# KiCad board washington-metro-pcb.kicad_pcb
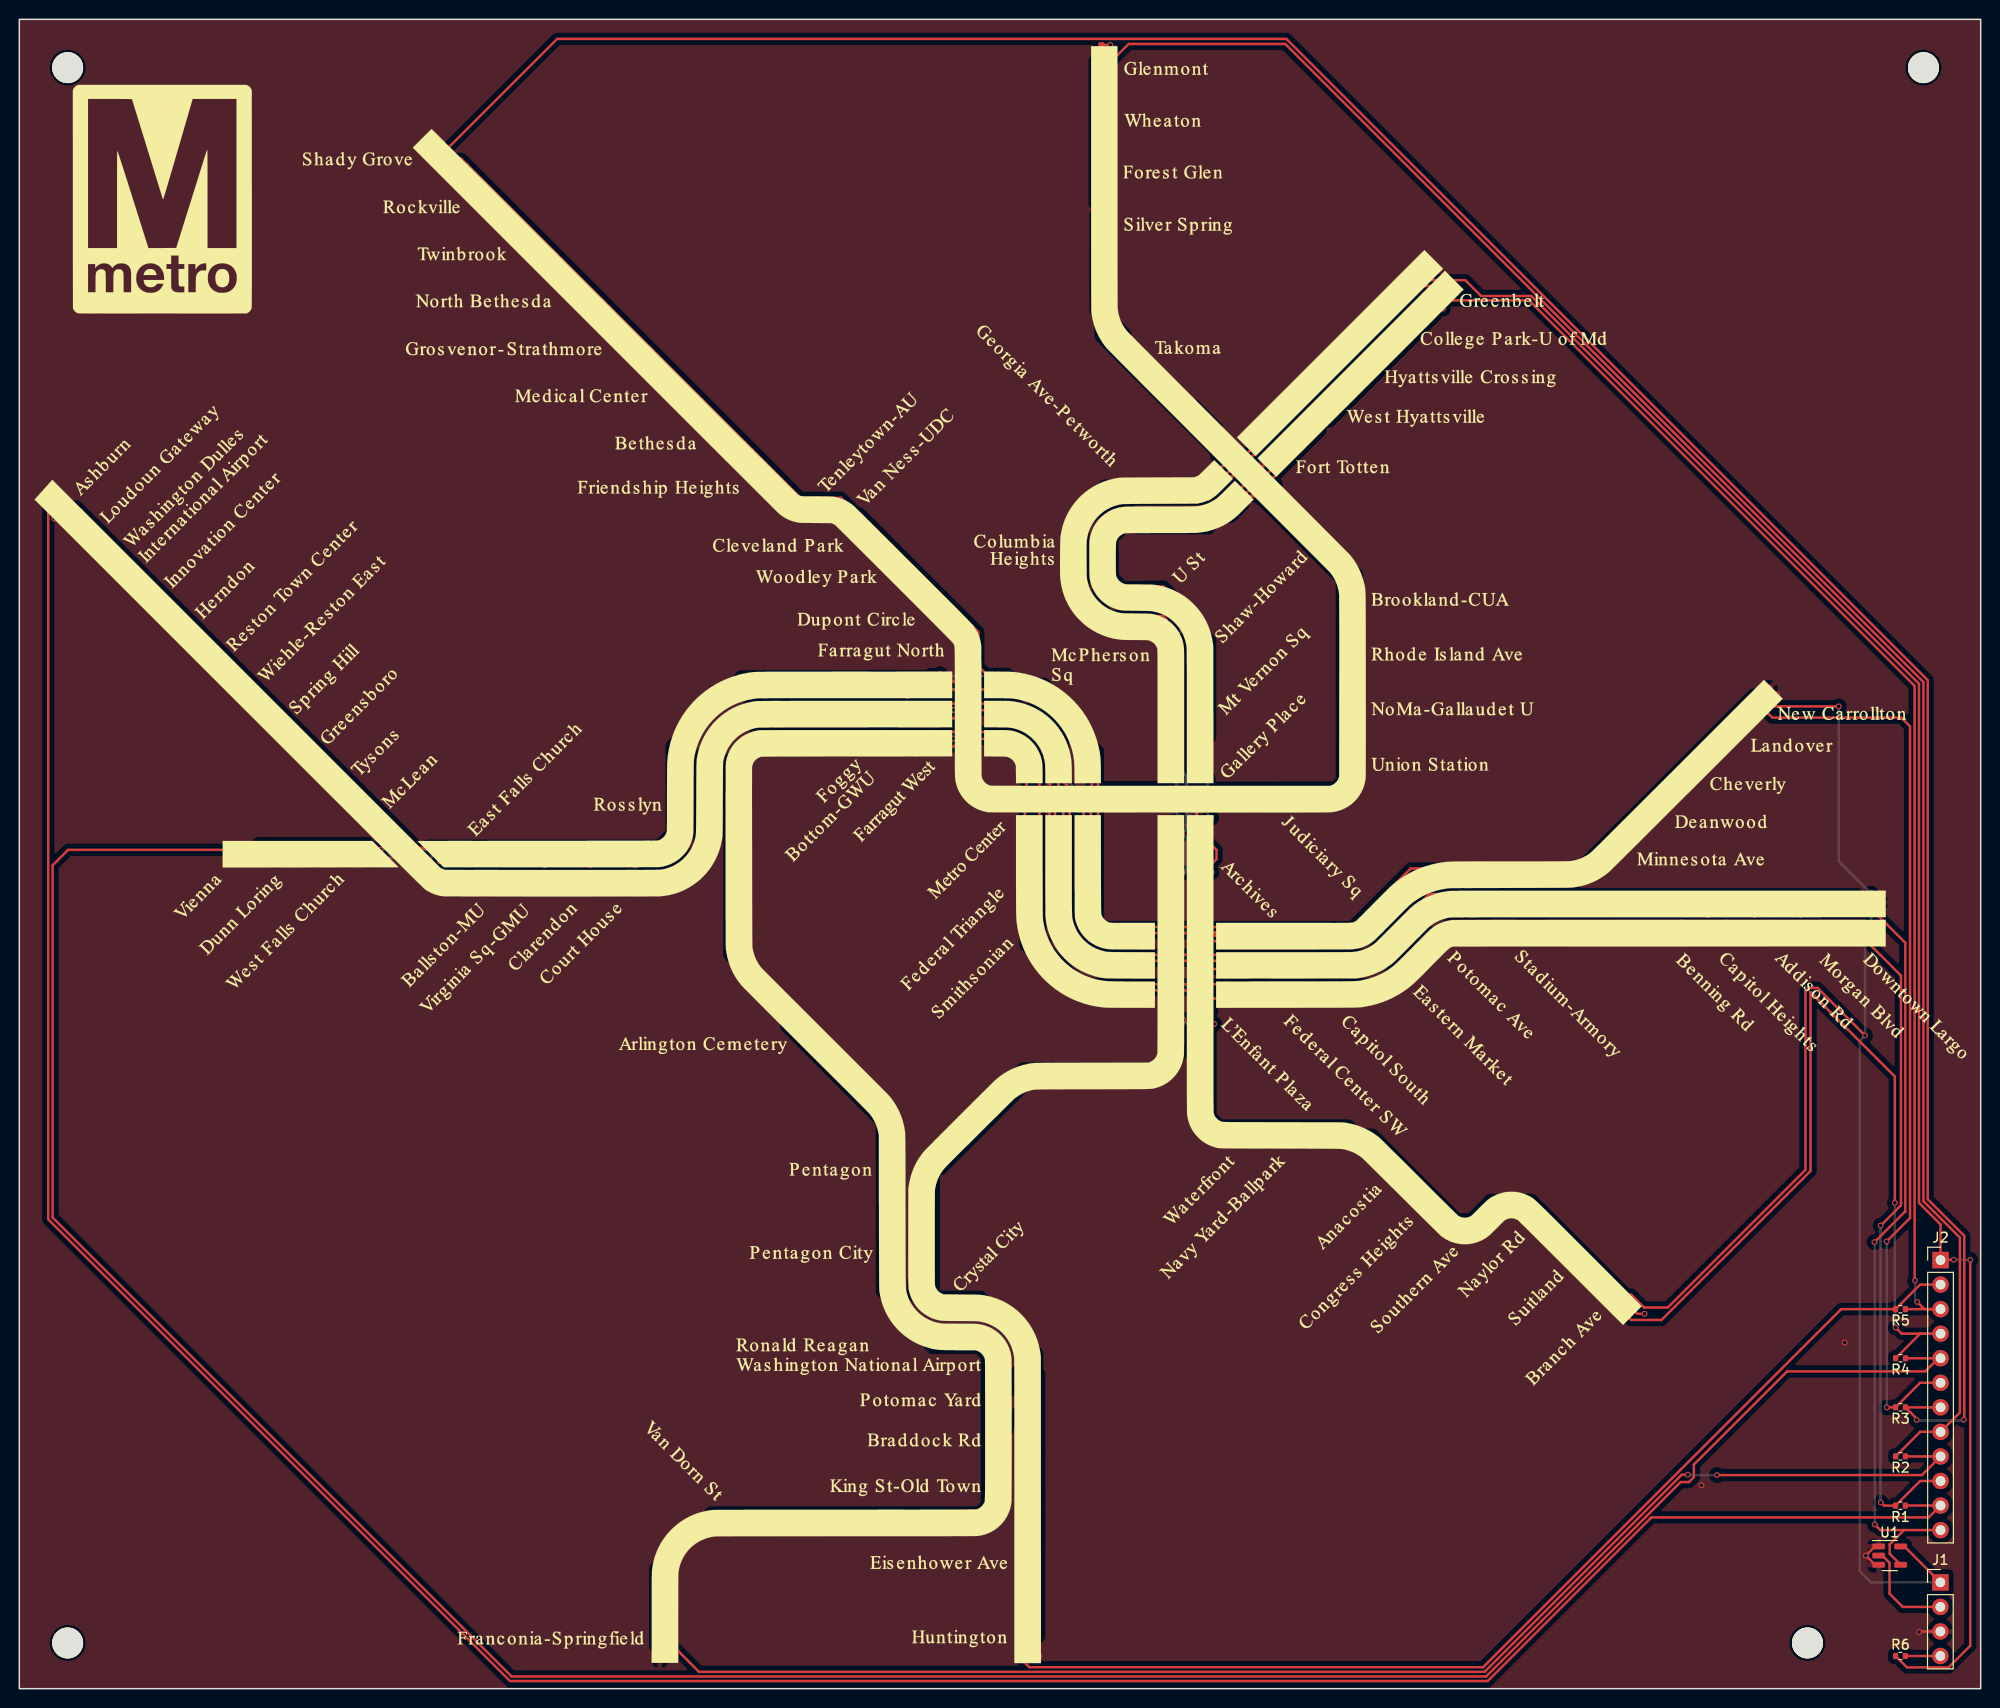
[diagram p0: board, top side]
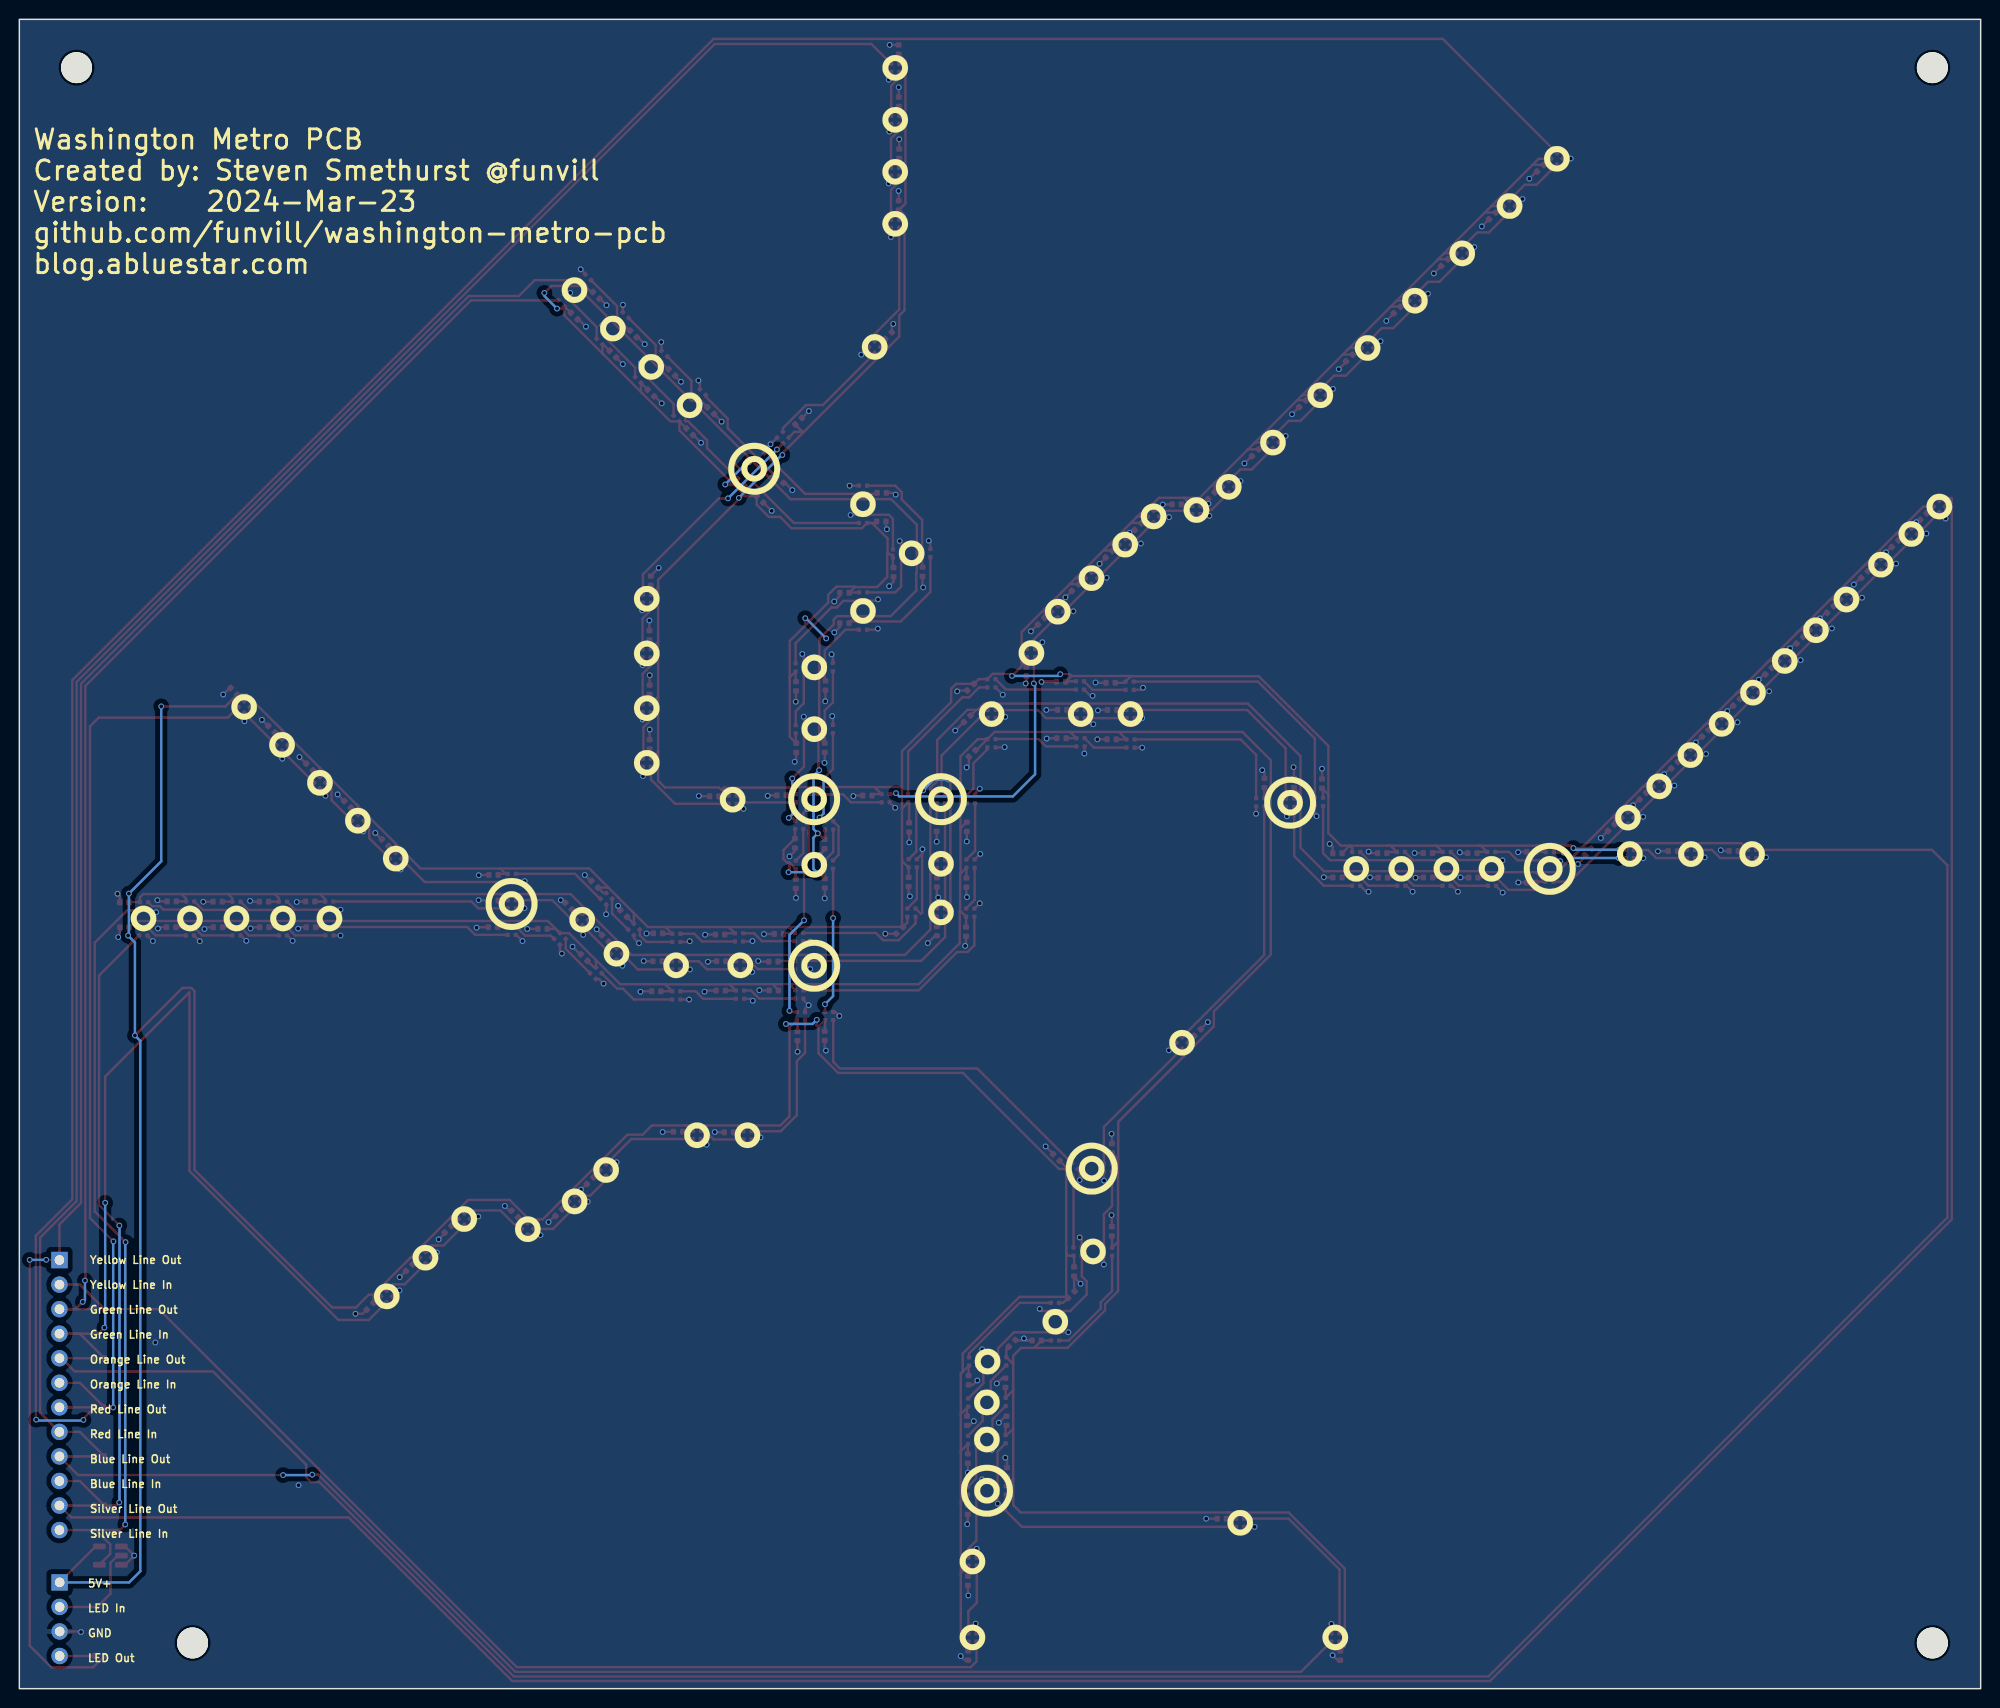
[diagram p1: board, bottom side, seen from below]

Outline 202.92 x 172.73 mm; copper layers: Top, Bottom. Coordinates in mm from the lower left corner of the outline.
Outline path: rectangle 0,172.73 202.92,0
Stack: Top 0.035mm / dielectric 1.51mm FR4 er 4.5 / Bottom 0.035mm

## Placement (name value [footprint] x y rotation side)
C1  1uF,25V,X5R  [C_0402_1005Metric]  192.06 81.36 0 top
C2  1uF,25V,X5R  [C_0402_1005Metric]  187.15 81.46 0 top
C3  1uF,25V,X5R  [C_0402_1005Metric]  182.4 81.43 0 top
C4  1uF,25V,X5R  [C_0402_1005Metric]  177.61 81.43 0 top
C5  1uF,25V,X5R  [C_0402_1005Metric]  172.82 81.45 0 top
C6  1uF,25V,X5R  [C_0402_1005Metric]  153.85 81.56 0 top
C7  1uF,25V,X5R  [C_0402_1005Metric]  146.1 80.97 45 top
C8  1uF,25V,X5R  [C_0402_1005Metric]  142.29 77.64 45 top
C9  1uF,25V,X5R  [C_0402_1005Metric]  136.89 75.27 0 top
C10  1uF,25V,X5R  [C_0402_1005Metric]  130.3 75.28 0 top
C11  1uF,25V,X5R  [C_0402_1005Metric]  124.91 75.23 0 top
C12  1uF,25V,X5R  [C_0402_1005Metric]  108 78.38 270 top
C13  1uF,25V,X5R  [C_0402_1005Metric]  108 83.43 270 top
C14  1uF,25V,X5R  [C_0402_1005Metric]  108.02 89.19 270 top
C15  1uF,25V,X5R  [C_0402_1005Metric]  104.85 100.35 315 top
C16  1uF,25V,X5R  [C_0402_1005Metric]  95.03 101.28 0 top
C17  1uF,25V,X5R  [C_0402_1005Metric]  89.86 101.27 0 top
C18  1uF,25V,X5R  [C_0402_1005Metric]  71.04 93.71 90 top
C19  1uF,25V,X5R  [C_0402_1005Metric]  66.54 83.94 0 top
C20  1uF,25V,X5R  [C_0402_1005Metric]  61.85 83.92 0 top
C21  1uF,25V,X5R  [C_0402_1005Metric]  57.17 83.94 0 top
C22  1uF,25V,X5R  [C_0402_1005Metric]  52.49 83.93 0 top
C23  1uF,25V,X5R  [C_0402_1005Metric]  46.49 83.41 0 top
C24  1uF,25V,X5R  [C_0402_1005Metric]  38.21 89.1 315 top
C25  1uF,25V,X5R  [C_0402_1005Metric]  34.94 92.36 315 top
C26  1uF,25V,X5R  [C_0402_1005Metric]  31.67 95.57 315 top
C27  1uF,25V,X5R  [C_0402_1005Metric]  28.48 98.86 315 top
C28  1uF,25V,X5R  [C_0402_1005Metric]  25.25 102.06 315 top
C29  1uF,25V,X5R  [C_0402_1005Metric]  21.94 105.29 315 top
C30  1uF,25V,X5R  [C_0402_1005Metric]  18.71 108.48 315 top
C31  1uF,25V,X5R  [C_0402_1005Metric]  15.55 111.67 315 top
C32  1uF,25V,X5R  [C_0402_1005Metric]  12.01 115.28 315 top
C33  1uF,25V,X5R  [C_0402_1005Metric]  8.85 118.47 315 top
C34  1uF,25V,X5R  [C_0402_1005Metric]  5.91 121.29 315 top
C35  1uF,25V,X5R  [C_0402_1005Metric]  192.04 78.79 0 top
C36  1uF,25V,X5R  [C_0402_1005Metric]  187.21 78.79 0 top
C37  1uF,25V,X5R  [C_0402_1005Metric]  182.38 78.79 0 top
C38  1uF,25V,X5R  [C_0402_1005Metric]  177.58 78.79 0 top
C39  1uF,25V,X5R  [C_0402_1005Metric]  172.75 78.79 0 top
C40  1uF,25V,X5R  [C_0402_1005Metric]  153.92 78.79 0 top
C41  1uF,25V,X5R  [C_0402_1005Metric]  148.79 78.62 0 top
C42  1uF,25V,X5R  [C_0402_1005Metric]  144.48 75.65 45 top
C43  1uF,25V,X5R  [C_0402_1005Metric]  137.03 72.16 0 top
C44  1uF,25V,X5R  [C_0402_1005Metric]  130.35 72.23 0 top
C45  1uF,25V,X5R  [C_0402_1005Metric]  124.86 72.25 0 top
C46  1uF,25V,X5R  [C_0402_1005Metric]  104.98 78.33 270 top
C47  1uF,25V,X5R  [C_0402_1005Metric]  104.94 83.41 270 top
C48  1uF,25V,X5R  [C_0402_1005Metric]  104.9 89.18 270 top
C49  1uF,25V,X5R  [C_0402_1005Metric]  104.34 96.76 315 top
C50  1uF,25V,X5R  [C_0402_1005Metric]  95.1 98.35 0 top
C51  1uF,25V,X5R  [C_0402_1005Metric]  89.91 98.23 0 top
C52  1uF,25V,X5R  [C_0402_1005Metric]  74.1 93.71 90 top
C53  1uF,25V,X5R  [C_0402_1005Metric]  81.03 67.9 135 top
C54  1uF,25V,X5R  [C_0402_1005Metric]  89.87 55.91 90 top
C55  1uF,25V,X5R  [C_0402_1005Metric]  89.89 47.32 90 top
C56  1uF,25V,X5R  [C_0402_1005Metric]  97.66 36.03 0 top
C57  1uF,25V,X5R  [C_0402_1005Metric]  100.2 35.74 135 top
C58  1uF,25V,X5R  [C_0402_1005Metric]  100.9 31.65 90 top
C59  1uF,25V,X5R  [C_0402_1005Metric]  100.78 27.71 90 top
C60  1uF,25V,X5R  [C_0402_1005Metric]  100.74 22.4 90 top
C61  1uF,25V,X5R  [C_0402_1005Metric]  78.51 17.59 0 top
C62  1uF,25V,X5R  [C_0402_1005Metric]  66.26 3.42 270 top
C63  1uF,25V,X5R  [C_0402_1005Metric]  111.94 169.6 90 top
C64  1uF,25V,X5R  [C_0402_1005Metric]  111.93 164.2 90 top
C65  1uF,25V,X5R  [C_0402_1005Metric]  111.89 158.83 90 top
C66  1uF,25V,X5R  [C_0402_1005Metric]  111.94 153.48 90 top
C67  1uF,25V,X5R  [C_0402_1005Metric]  112.99 140.01 135 top
C68  1uF,25V,X5R  [C_0402_1005Metric]  122.3 131.15 135 top
C69  1uF,25V,X5R  [C_0402_1005Metric]  137.59 114.64 90 top
C70  1uF,25V,X5R  [C_0402_1005Metric]  137.73 109 90 top
C71  1uF,25V,X5R  [C_0402_1005Metric]  137.71 103.36 90 top
C72  1uF,25V,X5R  [C_0402_1005Metric]  137.71 97.71 90 top
C73  1uF,25V,X5R  [C_0402_1005Metric]  131.02 92.34 0 top
C74  1uF,25V,X5R  [C_0402_1005Metric]  124.06 92.43 0 top
C75  1uF,25V,X5R  [C_0402_1005Metric]  115.18 92.41 0 top
C76  1uF,25V,X5R  [C_0402_1005Metric]  98.74 105.25 270 top
C77  1uF,25V,X5R  [C_0402_1005Metric]  97.19 110.45 315 top
C78  1uF,25V,X5R  [C_0402_1005Metric]  93.69 113.93 315 top
C79  1uF,25V,X5R  [C_0402_1005Metric]  90.19 117.38 315 top
C80  1uF,25V,X5R  [C_0402_1005Metric]  87.19 120.24 315 top
C81  1uF,25V,X5R  [C_0402_1005Metric]  83.18 122.54 0 top
C82  1uF,25V,X5R  [C_0402_1005Metric]  79.59 123.44 315 top
C83  1uF,25V,X5R  [C_0402_1005Metric]  75.05 127.88 315 top
C84  1uF,25V,X5R  [C_0402_1005Metric]  70.16 132.96 315 top
C85  1uF,25V,X5R  [C_0402_1005Metric]  65.32 137.69 315 top
C86  1uF,25V,X5R  [C_0402_1005Metric]  60.38 142.66 315 top
C87  1uF,25V,X5R  [C_0402_1005Metric]  55.47 147.55 315 top
C88  1uF,25V,X5R  [C_0402_1005Metric]  50.52 152.39 315 top
C89  1uF,25V,X5R  [C_0402_1005Metric]  45.56 157.32 315 top
C90  1uF,25V,X5R  [C_0402_1005Metric]  180.73 103.2 45 top
C91  1uF,25V,X5R  [C_0402_1005Metric]  176.82 99.28 45 top
C92  1uF,25V,X5R  [C_0402_1005Metric]  172.89 95.37 45 top
C93  1uF,25V,X5R  [C_0402_1005Metric]  168.96 91.5 45 top
C94  1uF,25V,X5R  [C_0402_1005Metric]  165.07 87.54 45 top
C95  1uF,25V,X5R  [C_0402_1005Metric]  153.86 84.2 0 top
C96  1uF,25V,X5R  [C_0402_1005Metric]  143.4 83.23 45 top
C97  1uF,25V,X5R  [C_0402_1005Metric]  140.4 80.21 45 top
C98  1uF,25V,X5R  [C_0402_1005Metric]  136.85 78.16 0 top
C99  1uF,25V,X5R  [C_0402_1005Metric]  130.42 78.03 0 top
C100  1uF,25V,X5R  [C_0402_1005Metric]  124.33 78.09 0 top
C101  1uF,25V,X5R  [C_0402_1005Metric]  111.85 78.46 315 top
C102  1uF,25V,X5R  [C_0402_1005Metric]  110.91 83.47 270 top
C103  1uF,25V,X5R  [C_0402_1005Metric]  110.86 89.11 270 top
C104  1uF,25V,X5R  [C_0402_1005Metric]  104.51 103.62 315 top
C105  1uF,25V,X5R  [C_0402_1005Metric]  95.14 104.2 0 top
C106  1uF,25V,X5R  [C_0402_1005Metric]  90.02 104.08 0 top
C107  1uF,25V,X5R  [C_0402_1005Metric]  68.14 93.65 90 top
C108  1uF,25V,X5R  [C_0402_1005Metric]  66.55 86.44 0 top
C109  1uF,25V,X5R  [C_0402_1005Metric]  61.92 86.45 0 top
C110  1uF,25V,X5R  [C_0402_1005Metric]  57.19 86.46 0 top
C111  1uF,25V,X5R  [C_0402_1005Metric]  52.59 86.45 0 top
C112  1uF,25V,X5R  [C_0402_1005Metric]  46.48 86.58 0 top
C113  1uF,25V,X5R  [C_0402_1005Metric]  40.59 86.59 315 top
C114  1uF,25V,X5R  [C_0402_1005Metric]  31.85 86.67 0 top
C115  1uF,25V,X5R  [C_0402_1005Metric]  25.55 86.68 0 top
C116  1uF,25V,X5R  [C_0402_1005Metric]  166.63 39.56 315 top
C117  1uF,25V,X5R  [C_0402_1005Metric]  162.58 43.56 315 top
C118  1uF,25V,X5R  [C_0402_1005Metric]  158.56 47.53 315 top
C119  1uF,25V,X5R  [C_0402_1005Metric]  151.66 49.12 45 top
C120  1uF,25V,X5R  [C_0402_1005Metric]  147.11 49.26 315 top
C121  1uF,25V,X5R  [C_0402_1005Metric]  143.86 52.56 315 top
C122  1uF,25V,X5R  [C_0402_1005Metric]  134.76 57.63 0 top
C123  1uF,25V,X5R  [C_0402_1005Metric]  129.51 57.57 0 top
C124  1uF,25V,X5R  [C_0402_1005Metric]  122.42 67.52 270 top
C125  1uF,25V,X5R  [C_0402_1005Metric]  122.59 83.28 270 top
C126  1uF,25V,X5R  [C_0402_1005Metric]  122.68 87.47 270 top
C127  1uF,25V,X5R  [C_0402_1005Metric]  122.55 97.35 270 top
C128  1uF,25V,X5R  [C_0402_1005Metric]  122.57 103.72 270 top
C129  1uF,25V,X5R  [C_0402_1005Metric]  117.55 113.39 0 top
C130  1uF,25V,X5R  [C_0402_1005Metric]  112.48 115.52 270 top
C131  1uF,25V,X5R  [C_0402_1005Metric]  113.74 120.77 180 top
C132  1uF,25V,X5R  [C_0402_1005Metric]  126.29 123.06 225 top
C133  1uF,25V,X5R  [C_0402_1005Metric]  133.57 130.06 225 top
C134  1uF,25V,X5R  [C_0402_1005Metric]  137.58 134.06 225 top
C135  1uF,25V,X5R  [C_0402_1005Metric]  141.51 138.09 225 top
C136  1uF,25V,X5R  [C_0402_1005Metric]  145.51 142.03 225 top
C137  1uF,25V,X5R  [C_0402_1005Metric]  104.75 3.43 270 top
C138  1uF,25V,X5R  [C_0402_1005Metric]  104.78 11.17 270 top
C139  1uF,25V,X5R  [C_0402_1005Metric]  104.8 18.51 270 top
C140  1uF,25V,X5R  [C_0402_1005Metric]  104.79 23.81 270 top
C141  1uF,25V,X5R  [C_0402_1005Metric]  104.87 27.72 270 top
C142  1uF,25V,X5R  [C_0402_1005Metric]  104.71 31.92 270 top
C143  1uF,25V,X5R  [C_0402_1005Metric]  94.08 40.77 135 top
C144  1uF,25V,X5R  [C_0402_1005Metric]  93.79 43.16 270 top
C145  1uF,25V,X5R  [C_0402_1005Metric]  95.63 54.96 45 top
C146  1uF,25V,X5R  [C_0402_1005Metric]  119.6 67.55 270 top
C147  1uF,25V,X5R  [C_0402_1005Metric]  119.58 83.33 270 top
C148  1uF,25V,X5R  [C_0402_1005Metric]  119.61 87.4 270 top
C149  1uF,25V,X5R  [C_0402_1005Metric]  119.59 97.36 270 top
C150  1uF,25V,X5R  [C_0402_1005Metric]  119.52 103.8 270 top
C151  1uF,25V,X5R  [C_0402_1005Metric]  117.56 110.25 0 top
C152  1uF,25V,X5R  [C_0402_1005Metric]  109.48 115.57 270 top
C153  1uF,25V,X5R  [C_0402_1005Metric]  113.7 123.73 180 top
C154  1uF,25V,X5R  [C_0402_1005Metric]  124.21 125.1 225 top
C155  1uF,25V,X5R  [C_0402_1005Metric]  131.38 132.24 225 top
C156  1uF,25V,X5R  [C_0402_1005Metric]  135.41 136.2 225 top
C157  1uF,25V,X5R  [C_0402_1005Metric]  139.39 140.18 225 top
C158  1uF,25V,X5R  [C_0402_1005Metric]  143.24 144.17 225 top
G***  -  [LOGO]  101.53 69.96 0 top
G***#2  -  [LOGO]  101.53 69.96 0 top
G***#3  -  [LOGO]  101.53 69.96 0 top
G***#4  -  [LOGO]  101.53 69.96 0 top
H1  MountingHole  [MountingHole_3.2mm_M3]  197 167.73 0 top
H2  MountingHole  [MountingHole_3.2mm_M3]  5 167.73 0 top
H3  MountingHole  [MountingHole_3.2mm_M3]  5 4.73 0 top
H4  MountingHole  [MountingHole_3.2mm_M3]  185 4.73 0 top
J1  Conn_01x04  [PinHeader_1x04_P2.54mm_Vertical]  198.75 11 0 top
J2  Conn_01x12  [PinHeader_1x12_P2.54mm_Vertical]  198.77 44.35 0 top
LED1  WS2812B  [XL-1010RGBC-WS2812B]  190.01 80.96 0 top
LED2  WS2812B  [XL-1010RGBC-WS2812B]  185.25 81.03 0 top
LED3  WS2812B  [XL-1010RGBC-WS2812B]  180.46 81.01 0 top
LED4  WS2812B  [XL-1010RGBC-WS2812B]  175.65 81 0 top
LED5  WS2812B  [XL-1010RGBC-WS2812B]  170.85 81.02 0 top
LED6  WS2812B  [XL-1010RGBC-WS2812B]  151.96 81.16 0 top
LED7  WS2812B  [XL-1010RGBC-WS2812B]  144.68 79.56 45 top
LED8  WS2812B  [XL-1010RGBC-WS2812B]  141.14 76.03 45 top
LED9  WS2812B  [XL-1010RGBC-WS2812B]  134.97 74.84 0 top
LED10  WS2812B  [XL-1010RGBC-WS2812B]  128.34 74.85 0 top
LED11  WS2812B  [XL-1010RGBC-WS2812B]  122.24 74.88 0 top
LED12  WS2812B  [XL-1010RGBC-WS2812B]  107.57 80.32 270 top
LED13  WS2812B  [XL-1010RGBC-WS2812B]  107.57 85.35 270 top
LED14  WS2812B  [XL-1010RGBC-WS2812B]  107.58 92.03 270 top
LED15  WS2812B  [XL-1010RGBC-WS2812B]  102.33 100.85 0 top
LED16  WS2812B  [XL-1010RGBC-WS2812B]  93.11 100.84 0 top
LED17  WS2812B  [XL-1010RGBC-WS2812B]  87.95 100.84 0 top
LED18  WS2812B  [XL-1010RGBC-WS2812B]  71.44 91.67 90 top
LED19  WS2812B  [XL-1010RGBC-WS2812B]  64.61 83.5 0 top
LED20  WS2812B  [XL-1010RGBC-WS2812B]  59.94 83.51 0 top
LED21  WS2812B  [XL-1010RGBC-WS2812B]  55.27 83.5 0 top
LED22  WS2812B  [XL-1010RGBC-WS2812B]  50.56 83.5 0 top
LED23  WS2812B  [XL-1010RGBC-WS2812B]  44.63 83.08 0 top
LED24  WS2812B  [XL-1010RGBC-WS2812B]  36.49 90.11 315 top
LED25  WS2812B  [XL-1010RGBC-WS2812B]  33.25 93.35 315 top
LED26  WS2812B  [XL-1010RGBC-WS2812B]  30.02 96.59 315 top
LED27  WS2812B  [XL-1010RGBC-WS2812B]  26.78 99.84 315 top
LED28  WS2812B  [XL-1010RGBC-WS2812B]  23.57 103.07 315 top
LED29  WS2812B  [XL-1010RGBC-WS2812B]  20.25 106.33 315 top
LED30  WS2812B  [XL-1010RGBC-WS2812B]  17.02 109.51 315 top
LED31  WS2812B  [XL-1010RGBC-WS2812B]  13.87 112.71 315 top
LED32  WS2812B  [XL-1010RGBC-WS2812B]  10.31 116.33 315 top
LED33  WS2812B  [XL-1010RGBC-WS2812B]  7.16 119.47 315 top